# KiCad board EnAcess PCB.kicad_pcb (continued)
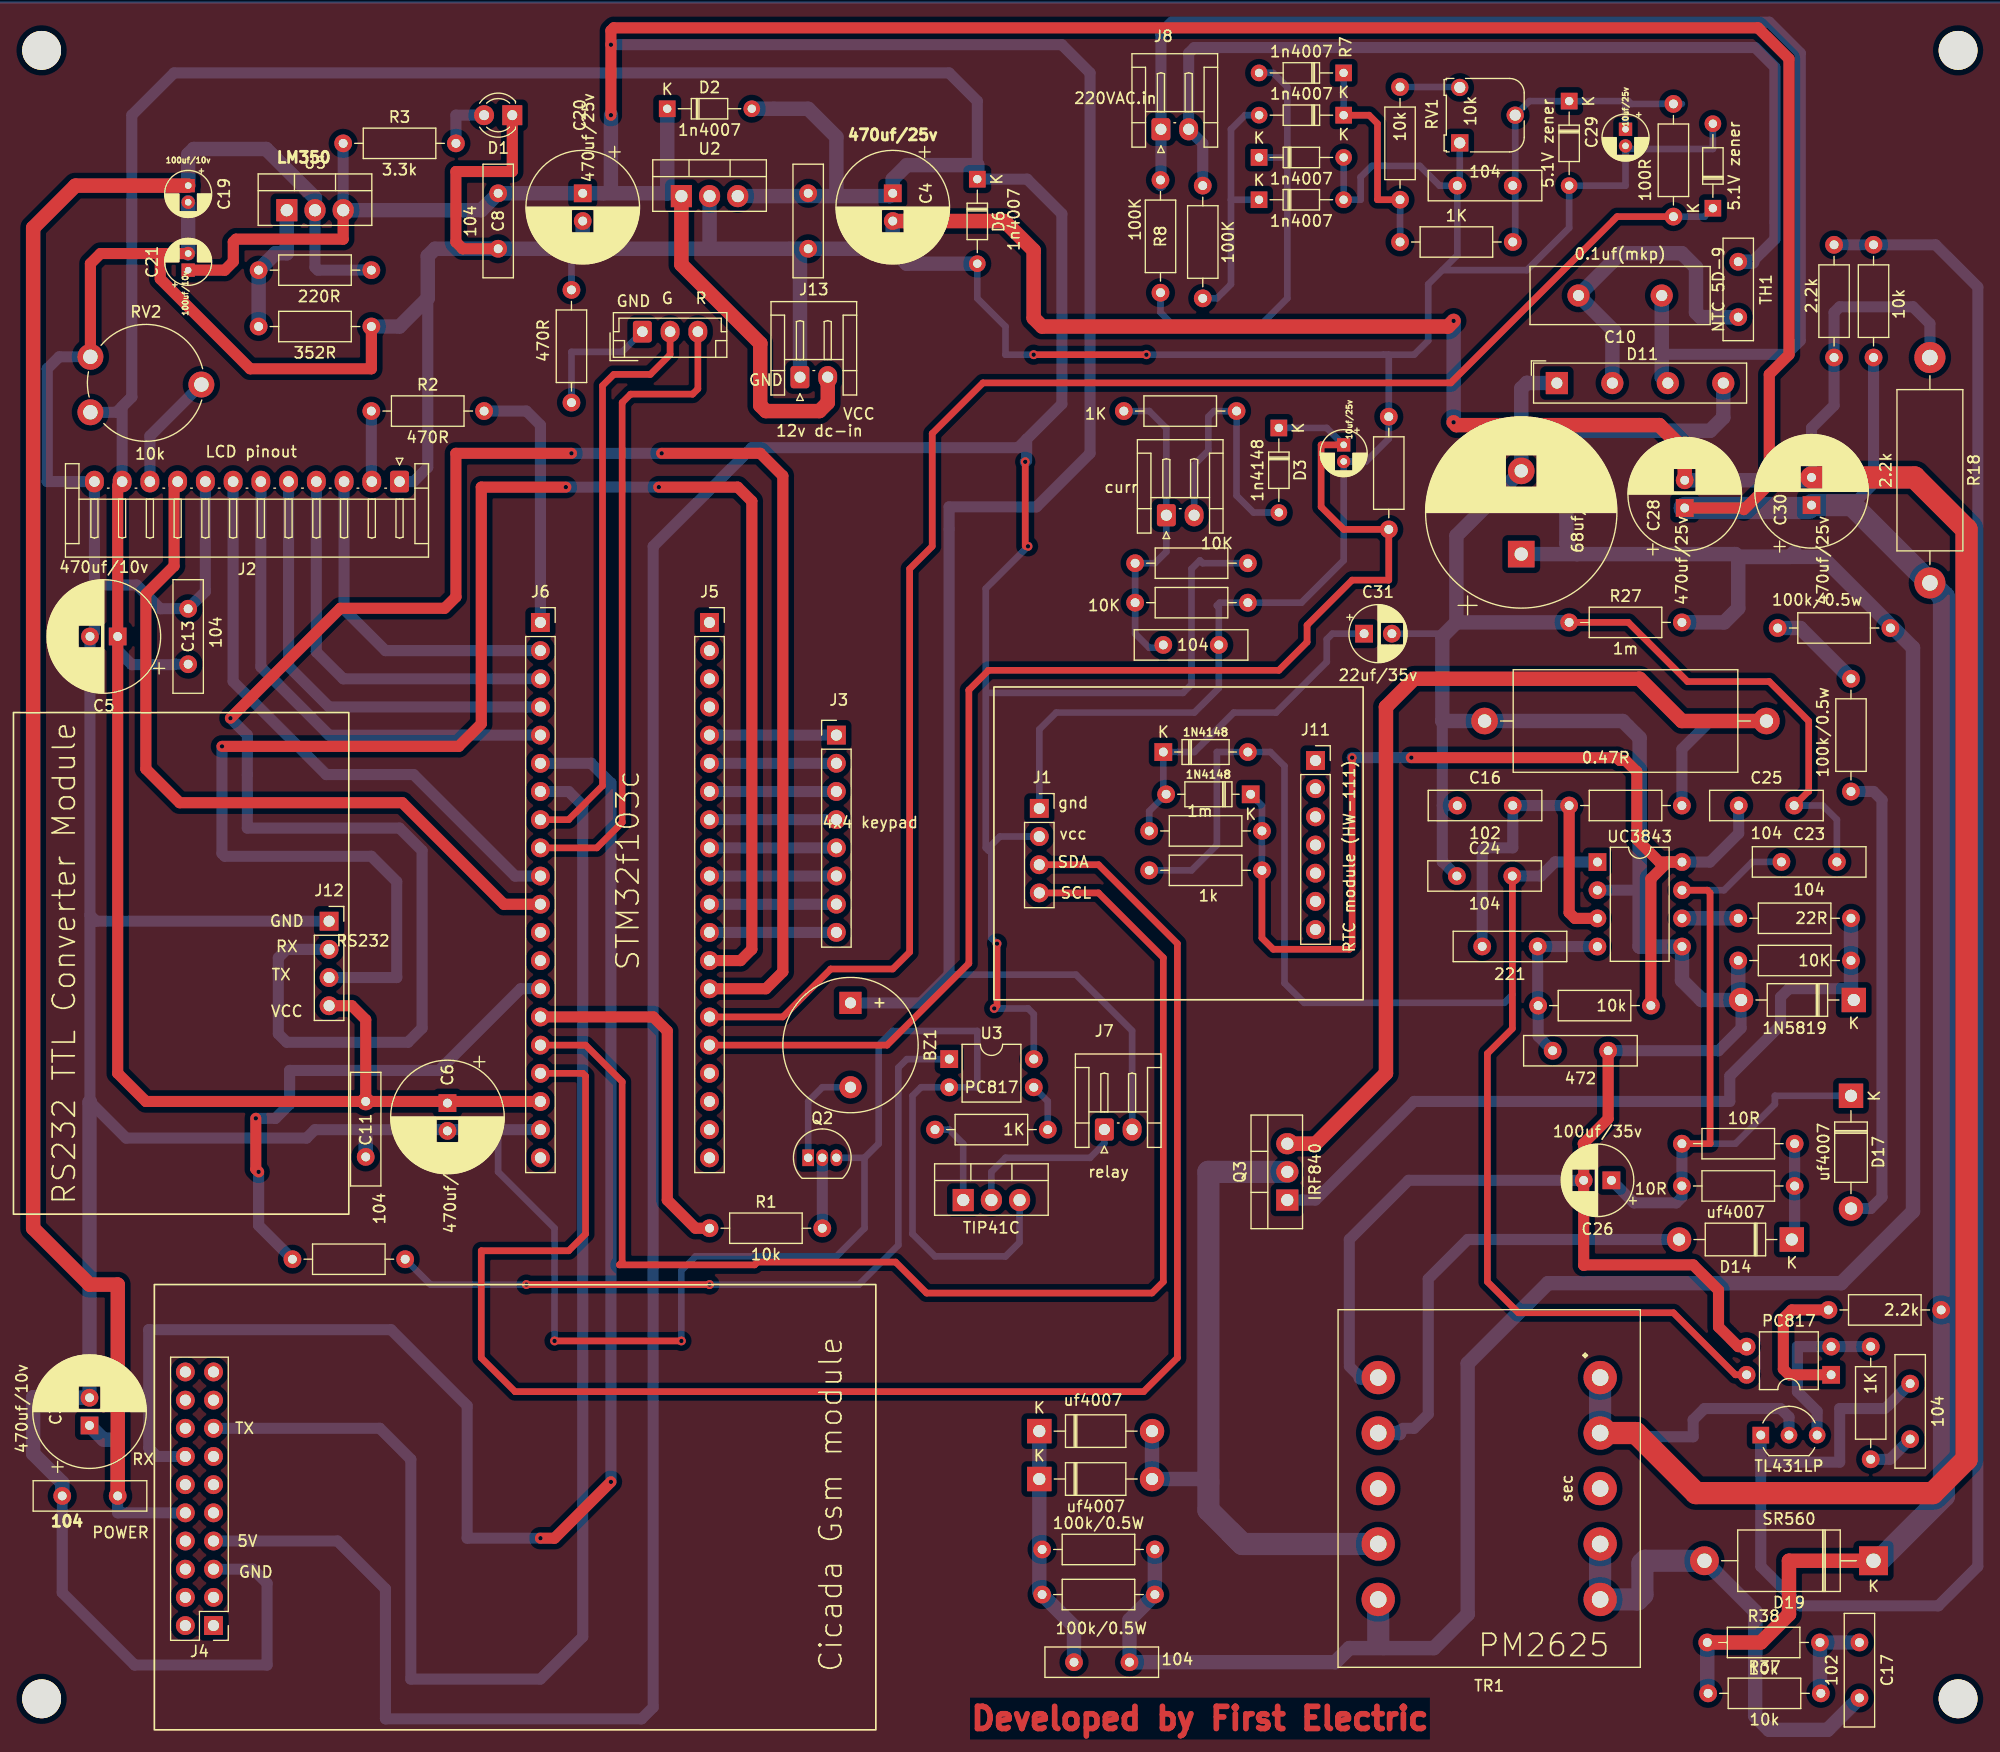
[diagram p0: board, top side]
## Footprints (pads in the part's own frame, mm; a bottom-side part is the same pattern mirrored in y, then rotated)
Buzzer_12x9.5RM7.6
  rect 2x2 hole 1: 1(0,0)
  round 2 hole 1: 2(7.6,0)
C_Disc_D9.0mm_W2.5mm_P5.00mm
  round 1.6 hole 0.8: 1(0,0) 2(5,0)
C_Disc_D10.0mm_W2.5mm_P5.00mm
  round 1.6 hole 0.8: 1(0,0) 2(5,0)
C_Disc_D16.0mm_W5.0mm_P7.50mm
  round 2 hole 1: 1(0,0) 2(7.5,0)
CP_Radial_D4.0mm_P1.50mm
  rect 1.2x1.2 hole 0.6: 1(0,0)
  round 1.2 hole 0.6: 2(1.5,0)
CP_Radial_D5.0mm_P2.50mm
  rect 1.6x1.6 hole 0.8: 1(0,0)
  round 1.6 hole 0.8: 2(2.5,0)
CP_Radial_D6.3mm_P2.50mm
  rect 1.6x1.6 hole 0.8: 1(0,0)
  round 1.6 hole 0.8: 2(2.5,0)
CP_Radial_D10.0mm_P2.50mm
  rect 1.6x1.6 hole 0.8: 1(0,0)
  round 1.6 hole 0.8: 2(2.5,0)
CP_Radial_D17.0mm_P7.50mm
  rect 2.4x2.4 hole 1.2: 1(0,0)
  round 2.4 hole 1.2: 2(7.5,0)
D_DO-34_SOD68_P7.62mm_Horizontal
  rect 1.5x1.5 hole 0.75: 1(0,0)
  oval 1.5x1.5 hole 0.75: 2(7.62,0)
D_DO-35_SOD27_P7.62mm_Horizontal
  rect 1.6x1.6 hole 0.8: 1(0,0)
  oval 1.6x1.6 hole 0.8: 2(7.62,0)
D_DO-41_SOD81_P10.16mm_Horizontal
  rect 2.2x2.2 hole 1.1: 1(0,0)
  oval 2.2x2.2 hole 1.1: 2(10.16,0)
D_DO-201AE_P15.24mm_Horizontal
  rect 2.6x2.6 hole 1.3: 1(0,0)
  oval 2.6x2.6 hole 1.3: 2(15.24,0)
Diode_Bridge_19.0x3.5x10.0mm_P5.0mm
  rect 2x2 hole 1: 1(0,0)
  round 2 hole 1: 2(5,0) 3(10,0) 4(15,0)
DIP-4_W7.62mm
  rect 1.6x1.6 hole 0.8: 1(0,0)
  oval 1.6x1.6 hole 0.8: 2(0,-2.54) 3(7.62,-2.54) 4(7.62,0)
DIP-8_W7.62mm
  rect 1.6x1.6 hole 0.8: 1(0,0)
  oval 1.6x1.6 hole 0.8: 2(0,-2.54) 3(0,-5.08) 4(0,-7.62) 5(7.62,-7.62) 6(7.62,-5.08) 7(7.62,-2.54) 8(7.62,0)
JST_EH_B3B-EH-A_1x03_P2.50mm_Vertical
  rrect 1.7x1.95 hole 0.95: 1(0,0)
  oval 1.7x1.95 hole 0.95: 2(2.5,0) 3(5,0)
JST_EH_S2B-EH_1x02_P2.50mm_Horizontal
  rrect 1.7x2 hole 1: 1(0,0)
  oval 1.7x2 hole 1: 2(2.5,0)
JST_EH_S12B-EH_1x12_P2.50mm_Horizontal
  rrect 1.7x1.95 hole 0.95: 1(0,0)
  oval 1.7x1.95 hole 0.95: 2(2.5,0) 3(5,0) 4(7.5,0) 5(10,0) 6(12.5,0) 7(15,0) 8(17.5,0) 9(20,0) 10(22.5,0) 11(25,0) 12(27.5,0)
LED_D3.0mm_FlatTop
  rect 1.8x1.8 hole 0.9: 1(0,0)
  round 1.8 hole 0.9: 2(2.54,0)
MountingHole_3.5mm
  round 3.5 hole 3.5 unplated: (0,0)
PinHeader_1x08_P2.54mm_Vertical
  rect 1.7x1.7 hole 1: 1(0,0)
  oval 1.7x1.7 hole 1: 2(0,-2.54) 3(0,-5.08) 4(0,-7.62) 5(0,-10.16) 6(0,-12.7) 7(0,-15.24) 8(0,-17.78)
PinHeader_2x10_P2.54mm_Vertical
  rect 1.7x1.7 hole 1: 1(0,0)
  oval 1.7x1.7 hole 1: 2(2.54,0) 3(0,-2.54) 4(2.54,-2.54) 5(0,-5.08) 6(2.54,-5.08) 7(0,-7.62) 8(2.54,-7.62) 9(0,-10.16) 10(2.54,-10.16) 11(0,-12.7) 12(2.54,-12.7) 13(0,-15.24) 14(2.54,-15.24) 15(0,-17.78) 16(2.54,-17.78) 17(0,-20.32) 18(2.54,-20.32) 19(0,-22.86) 20(2.54,-22.86)
PinSocket_1x04_P2.54mm_Vertical
  rect 1.7x1.7 hole 1: 1(0,0)
  oval 1.7x1.7 hole 1: 2(0,-2.54) 3(0,-5.08) 4(0,-7.62)
PinSocket_1x07_P2.54mm_Vertical
  rect 1.7x1.7 hole 1: 1(0,0)
  oval 1.7x1.7 hole 1: 2(0,-2.54) 3(0,-5.08) 4(0,-7.62) 5(0,-10.16) 6(0,-12.7) 7(0,-15.24)
PinSocket_1x20_P2.54mm_Vertical
  rect 1.7x1.7 hole 1: 1(0,0)
  oval 1.7x1.7 hole 1: 2(0,-2.54) 3(0,-5.08) 4(0,-7.62) 5(0,-10.16) 6(0,-12.7) 7(0,-15.24) 8(0,-17.78) 9(0,-20.32) 10(0,-22.86) 11(0,-25.4) 12(0,-27.94) 13(0,-30.48) 14(0,-33.02) 15(0,-35.56) 16(0,-38.1) 17(0,-40.64) 18(0,-43.18) 19(0,-45.72) 20(0,-48.26)
Potentiometer_Piher_PT-10-V10_Vertical
  round 2.34 hole 1.3: 1(0,0) 2(10,2.5) 3(0,5)
Potentiometer_Runtron_RM-065_Vertical
  rect 1.56x1.56 hole 1: 1(0,0)
  round 1.56 hole 1: 2(2.5,-5) 3(5,0)
R_Axial_DIN0207_L6.3mm_D2.5mm_P10.16mm_Horizontal
  round 1.6 hole 0.8: 1(0,0)
  oval 1.6x1.6 hole 0.8: 2(10.16,0)
R_Axial_DIN0614_L14.3mm_D5.7mm_P20.32mm_Horizontal
  round 2.8 hole 1.4: 1(0,0)
  oval 2.8x2.8 hole 1.4: 2(20.32,0)
R_Axial_DIN0922_L20.0mm_D9.0mm_P25.40mm_Horizontal
  round 2.4 hole 1.2: 1(0,0)
  oval 2.4x2.4 hole 1.2: 2(25.4,0)
TO-92_Inline
  rect 1.05x1.5 hole 0.75: 1(0,0)
  oval 1.05x1.5 hole 0.75: 2(1.27,0) 3(2.54,0)
TO-92_Inline_Wide
  rect 1.5x1.5 hole 0.8: 1(0,0)
  round 1.5 hole 0.8: 2(2.54,0) 3(5.08,0)
TO-220-3_Vertical
  rect 1.905x2 hole 1.1: 1(0,0)
  oval 1.905x2 hole 1.1: 2(2.54,0) 3(5.08,0)
Transformer_CHK_EI30-2VA_2xSec
  round 3 hole 1.5: 1(0,0) 2(0,5) 3(0,10) 4(0,15) 5(0,20) 6(20,20) 7(20,15) 8(20,10) 9(20,5) 10(20,0)

## Nets
+5V: C4.1 C5.1 C6.1 C11.1 C13.1 C14.1 D2.2 D6.1 D7.1 D10.1 J1.2 J2.11 J4.7 J6.18 J12.4 R12.2 RV1.1 RV2.1 U2.3 U3.4
GND: C1.2 C2.2 C3.2 C4.2 C5.2 C6.2 C8.2 C11.2 C12.2 C13.2 C14.2 C15.2 C19.2 C20.2 C21.2 C28.2 C29.2 C30.2 D1.1 D4.2 D6.2 D8.2 J1.1 J2.1 J2.8 J2.12 J4.5 J6.19 J12.1 J13.1 Q1.3 Q2.3 R14.2 R15.2 R16.1 R17.2 R18.1 R19.2 RV2.3 TR1.2 U2.2 U3.2 U6.2
Net-(BZ1-+): BZ1.2 Q2.1
Net-(C7-Pad1): C7.1 R33.1
Net-(C10-Pad2): C10.2 D11.2 TH1.2
Net-(C16-Pad2): C16.2 C18.1 R31.1 UC3843.3
Net-(C17-Pad1): C17.1 R37.2 R38.2
Net-(D1-A): D1.2 R3.2
Net-(D3-A): C2.1 D3.2 J5.16 R16.2
Net-(D3-K): D3.1 J10.2 R6.2
Net-(D4-K): D4.1 J5.15 R9.2
Net-(D5-A): D5.2 D9.2 R5.2 R10.2
Net-(D5-K): D5.1 D7.2 R7.2
Net-(D8-K): C12.1 C29.1 D8.1 R9.1 R10.1 RV1.2
Net-(D10-A): D9.1 D10.2 R8.2
Net-(D11-+): C9.1 C17.2 C27.1 D11.4 D19.2 R20.1 R21.1 R22.2 R27.2 TR1.1 TR1.6
Net-(D11--): C9.2 C16.1 C22.2 C23.2 C24.1 C25.2 C26.2 C31.2 D11.1 D13.2 R27.1 R28.1 R30.1 TR1.3 TR1.10 U4.3 UC3843.2 UC3843.5
Net-(D12-A): C31.1 D12.2 D18.1 R34.1
Net-(D12-K): C25.1 D12.1 R32.2 R34.2 R35.2 UC3843.8
Net-(D13-K): D13.1 Q3.1 R28.2 R29.2
Net-(D14-A): D14.2 TR1.4
Net-(D14-K): D14.1 R25.2 R26.1
Net-(D15-A): D15.2 D16.2 Q3.2 TR1.5
Net-(D15-K): C27.2 D15.1 D16.1 R20.2 R21.2
Net-(D17-A): D17.2 R23.1
Net-(D17-K): C23.1 C26.1 D17.1 R25.1 R26.2 UC3843.7
Net-(D18-A): C24.2 D18.2 R35.1 U4.4 UC3843.1
Net-(D19-K): BZ1.1 C8.1 C20.1 C21.1 C28.1 C30.1 D2.1 D19.1 J7.2 J13.2 R3.1 R18.2 R24.2 R36.1 R37.1 R38.1 U2.1 U5.3
Net-(J1-Pin_3): J1.3 J6.17
Net-(J1-Pin_4): J1.4 J6.16
Net-(J2-Pin_2): J2.2 R2.1
Net-(J2-Pin_3): J2.3 J6.2
Net-(J2-Pin_4): J2.4 J6.3
Net-(J2-Pin_5): J2.5 J6.4
Net-(J2-Pin_6): J2.6 J6.5
Net-(J2-Pin_7): J2.7 J6.10
Net-(J2-Pin_9): J2.9 J6.11
Net-(J2-Pin_10): J2.10 RV2.2
Net-(J3-Pin_1): J3.1 J5.5
Net-(J3-Pin_2): J3.2 J5.6
Net-(J3-Pin_3): J3.3 J5.7
Net-(J3-Pin_4): J3.4 J5.8
Net-(J3-Pin_5): J3.5 J5.9
Net-(J3-Pin_6): J3.6 J5.10
Net-(J3-Pin_7): J3.7 J5.11
Net-(J3-Pin_8): J3.8 J5.12
Net-(J4-Pin_10): C3.1 C15.1 C19.1 J4.10 R13.2 U5.2
Net-(J4-Pin_14): J4.14 J6.6
Net-(J4-Pin_15): J4.15 J6.7
Net-(J5-Pin_13): J5.13 J12.3
Net-(J5-Pin_14): J5.14 J12.2
Net-(J6-Pin_1): J6.1 R2.2
Net-(J6-Pin_8): J6.8 J9.2
Net-(J6-Pin_9): J6.9 J9.3
Net-(J6-Pin_14): J6.14 R4.1
Net-(J6-Pin_15): J6.15 R1.1
Net-(J7-Pin_1): J7.1 Q1.2
Net-(J8-Pin_1): C10.1 D11.3 J8.1 R8.1
Net-(J8-Pin_2): J8.2 R7.1 TH1.1
Net-(J9-Pin_1): J9.1 R17.1
Net-(J10-Pin_1): C1.1 J10.1 R6.1 R12.1 R15.1
Net-(Q1-B): Q1.1 R11.2
Net-(Q2-B): Q2.2 R1.2
Net-(Q3-S): Q3.3 R30.2 R31.2
Net-(R4-Pad2): R4.2 U3.1
Net-(R5-Pad1): R5.1 RV1.3
Net-(R11-Pad1): R11.1 U3.3
Net-(R22-Pad1): R22.1 R23.2
Net-(R36-Pad2): R36.2 U4.1
Net-(U1-OUT): R29.1 UC3843.6
Net-(U1-RC): C18.2 C22.1 R32.1 UC3843.4
Net-(U5-ADJ): R13.1 R14.1 U5.1
Net-(U6-K): R33.2 U4.2 U6.3
Net-(U6-REF): C7.2 R19.1 R24.1 U6.1

Pads without a net: J4 1 2 3 4 6 8 9 11 12 13 16 17 18 19 20; J5 1 2 3 4 17 18 19 20; J6 12 13 20; J11 1 2 3 4 5 6 7; TR1 7 8 9

## Via types
v1: diameter 0.8, hole 0.4, Top to Bottom, 26 vias

## Routing (per net, layer and track width the routed paths; a pad name or vN(x,y) marks a point on that pad's centre or on a via; arc(x,y) is an arc through that point)
+5V: length 621.3
  Top w0.6: 122.43,135.13 120.4,135.13 120.4,141.99 119.63,142.75 D7.1 ; v1(88.65,111.51) 88.65,103.89 ; v1(85.85,62.23) 86.11,62.48 v1(86.11,68.07)
  Top w1: C11.1 29.21,61.21 27.95,62.47 J12.4 ; J6.18 9.4,53.84 6.86,56.39 C5.1 6.86,109.32 J2.11
  Bottom w0.6: 85.34,90.68 102.87,90.68 103.63,91.44 103.63,101.85 104.39,102.62 104.65,102.36 R12.2 ; D10.1 117.34,142.75 D7.1 ; 122.43,135.13 122.43,131.32 ; v1(88.9,103.89) 85.09,100.08 85.09,76.71 85.34,76.45 85.6,76.45 85.6,68.58 v1(86.11,68.07) ; J1.2 86.36,77.72 85.34,76.71 ; U3.4 89.42,61.71 88.9,62.23 v1(85.85,62.23)
  Bottom w1: 88.77,113.54 88.77,111.63 v1(88.65,111.51) ; 88.77,113.54 88.01,112.78 64.01,112.78 55.12,103.89 55.12,-0.76 54.07,-1.81 31.02,-1.81 30.99,-1.78 30.99,9.91 26.67,14.22 J4.7 ; 88.77,113.54 91.95,116.71 91.95,133.86 88.82,136.98 D6.1 84.33,144.02 81.79,146.56 11.94,146.56 8.13,142.75 8.13,117.35 ; 8.13,117.35 6.75,115.97 RV2.1 ; 8.13,117.35 7.26,116.48 J2.11 ; C13.1 11.98,93.26 11.94,93.22 8.13,93.22 6.86,94.49 C5.1
  Bottom w1.3: D6.1 84.33,138.25 77.98,138.25 76.71,136.98 C4.1 76.45,135.45 U2.3 ; 71.63,135.71 71.63,140.79 69.09,143.33 64,143.33
GND: length 1029.4
  Top w0.6: v1(46.23,32.26) v1(57.66,32.26) ; v1(89.41,121.16) v1(99.57,121.16)
  Top w1: R14.2 29.72,119.89 18.8,119.89 10.69,127.99 10.69,130.28 C21.2 5.31,130.28 4.4,129.37 RV2.3 ; D1.1 42.42,137.67 37.34,137.67 37.34,131.32 37.95,130.71 C8.2
  Top w1.3: v1(127.25,124.21) 126.75,123.7 90.17,123.7 89.41,124.46 89.41,130.56 86.76,133.21 C4.2 ; C28.2 148.08,112.52 145.8,114.81 127.51,114.81 v1(127.25,115.06)
  Top w2: TR1.2 143.68,23.96 149.1,18.54 170.43,18.54 173.48,21.59 173.48,105.41 168.8,110.09 C30.2
  Bottom w0.6: D4.2 150.62,139.7 143.03,139.7 C29.2 142.75,136.4 D8.2 137.67,132.59 133.86,128.78 126.24,128.78 ; v1(89.41,121.16) 86.87,121.16 86.87,123.7 84.33,126.24 D6.2 ; C12.2 127.81,136.62 127.81,140.25 ; C12.2 127.59,130.13 124.97,127.51 124.97,122.43 123.7,121.16 120.9,121.16 ; C12.2 125.98,136.4 124.21,138.18 119.89,138.18 118.87,137.16 118.87,135.13 117.34,135.13 117.34,135.13 117.34,138.94 ; R17.2 47.75,130.6 47.65,130.71 ; Q2.3 74.17,48.77 ; 74.17,48.77 74.17,42.42 71.63,39.88 58.93,39.88 57.66,38.61 v1(57.66,32.26) ; 74.17,48.77 75.44,50.04 75.44,58.93 76.71,60.2 84.33,60.2 84.33,55.12 84.32,55.12 79.25,55.12 78.49,54.36 78.49,41.91 80.52,39.88 86.87,39.88 88.14,41.15 Q1.3 ; J1.1 89.92,87.38 91.44,88.9 103.89,88.9 106.09,91.11 C1.2 106.09,98.38 105.92,98.55 106.17,98.81 R15.2 113.54,98.81 117.35,102.62 C2.2 119.36,111.53 121.41,113.59 121.41,121.16 120.9,121.16 ; 120.9,121.16 v1(99.57,121.16) ; 41.14,51.3 41.14,47.5 46.23,42.42 v1(46.23,32.26)
  Bottom w1: U6.2 157.48,25.4 156.72,26.16 149.86,26.16 148.84,25.15 148.84,23.62 140.8,23.62 ; J2.1 33.52,109.72 34.8,111 34.8,126.24 ; 4.76,100.4 J2.12 0.52,109.72 0.51,109.73 0.51,119.89 1.59,120.97 RV2.3 ; 4.76,100.4 4.76,96.16 C5.2 4.36,70.65 ; 4.76,100.4 8.57,100.4 10.71,98.26 C13.2 14.76,99.81 J2.8 ; 4.36,70.65 4.36,53.81 7.62,50.55 23.88,50.55 24.63,51.3 J6.19 ; 4.36,70.65 4.92,70.09 J12.1 ; J4.5 19.05,11.68 20.32,10.41 20.32,3.05 8.38,3.05 1.86,9.57 C15.2 ; R18.1 170.18,123.95 168.66,125.48 162.05,125.48 161.54,124.97 R19.2 161.54,116.59 159.51,114.55 C30.2 ; 67.56,130.56 67.41,130.71
  Bottom w1.3: C11.2 29.21,50.55 ; D6.2 77.98,129.36 77.98,129.36 76.71,130.63 ; 60.28,130.71 C14.2 76.63,130.71 76.71,130.63 ; 60.28,130.71 48.69,130.71 ; 60.28,130.71 60.2,130.79 U2.2 ; v1(127.25,115.06) v1(127.25,124.21) ; 48.69,130.71 C8.2 35.46,130.71 34.8,130.05 34.8,126.24 32.26,123.7 R14.2 ; 48.69,130.71 48.77,130.79 C20.2 ; C4.2 76.71,130.63 ; J13.1 68.35,130.54 68.33,130.56 ; C30.2 159.26,109.84 C28.2 ; C19.2 C21.2 ; 4.36,53.81 4.32,53.77 C3.2 -0.72,27.14 -0.76,27.18 -0.76,22.1 1.86,19.48 C15.2
  Bottom w2: 140.46,28.96 TR1.2
Net-(BZ1-+): length 9.4
  Bottom w0.6: Q2.1 69.09,53.85 70.37,55.13 BZ1.2
Net-(C7-Pad1): length 4.3
  Bottom w1: R33.1 166.58,21.59 C7.1
Net-(C10-Pad2): length 30.1
  Bottom w1.3: TH1.2 149.53,124.54 149.1,124.97 149.1,129.03 147.83,130.3 142.24,130.3 142.24,130.22 C10.2 141.73,123.27 141.73,122.68 141.56,122.51 D11.2
Net-(C16-Pad2): length 32.8
  Top w1: R31.1 137.67,70.87 138.19,70.35 UC3843.3
  Bottom w1: C18.1 129.83,76.49 130.05,76.71 132.59,76.71 C16.2 R31.1
Net-(C17-Pad1): length 8.2
  Bottom w1.3: C17.1 R38.2 160.27,0.57 R37.2
Net-(D1-A): length 5.1
  Bottom w1: D1.2 37.34,142.75 R3.2
Net-(D3-A): length 119.5
  Top w0.6: 60.19,58.92 76.2,58.92 83.57,66.29 83.57,90.93 85.34,92.71 111.51,92.71 114.05,95.25 114.05,96.77 118.11,100.84 121.41,100.84 R16.2 117.35,105.41 115.32,107.44 115.32,113.03 C2.1
  Bottom w0.6: 111.51,114.55 115.82,114.55 C2.1
Net-(D3-K): length 24.2
  Bottom w0.6: 111.51,106.93 109.22,106.93 107.7,108.46 R6.2 105.66,116.08 105.16,115.57 105.16,112.52 103.87,111.23 J10.2
Net-(D4-K): length 146.8
  Top w0.6: J5.15 66.8,61.46 71.12,65.79 76.71,65.79 78.23,67.31 78.23,101.85 80.26,103.89 80.26,114.05 84.84,118.62 127,118.62 141.99,133.6 R9.2
  Bottom w0.6: D4.1 149.86,133.6 R9.2
Net-(D5-K): length 22.6
  Bottom w0.6: 107.19,135.13 107.19,127.51 105.92,126.24 R7.2 ; 107.19,135.13 107.19,141.48 108.46,142.75 D7.2 ; 107.19,135.13 D5.1
Net-(D8-K): length 30.3
  Bottom w0.6: 142.75,143.26 142.75,144.02 D8.1 134.08,144.02 RV1.2 132.81,131.54 R10.1 ; 142.75,143.26 C29.1 ; 142.75,143.26 142.75,143.76 143,144.02 143.26,143.76 147.83,143.76
Net-(D10-A): length 39.5
  Bottom w0.6: 112.27,138.94 D9.1 ; 112.27,138.94 112.27,145.29 111,146.56 D10.2 ; 112.27,138.94 112.27,126.24 109.73,123.7 102.11,123.7 100.84,124.97 R8.2
Net-(D11-+): length 294.3
  Bottom w1.3: 138.37,103.18 137.41,104.14 137.41,113.79 137.92,114.3 150.37,114.3 151.56,115.49 D11.4 ; 138.37,103.18 152.65,103.18 152.91,102.93 ; 138.37,103.18 C9.1 ; 152.91,102.93 160.47,102.93 168.66,94.74 168.66,43.94 162.18,37.46 135.76,37.46 128.52,30.23 128.52,7.62 125.48,4.57 117.86,4.57 116.59,3.3 C27.1 98.04,7.11 R20.1 R21.1 ; 152.91,102.93 157.54,102.93 157.99,103.38 ; 152.91,102.93 152.91,98.3 151.64,97.03 R27.2 ; C17.2 160.96,-2.79 155.7,-2.79 154.43,-1.52 154.43,7.87 D19.2
  Bottom w2: 140.46,13.96 140.46,8.96 143.83,8.96 144.27,9.4 144.27,12.19 144.53,12.45 D19.2 ; TR1.6 120.46,5.01
Net-(D11--): length 259.2
  Top w0.6: R27.1 143,97.03 148.34,91.69 155.7,91.69 159.26,88.14 159.26,81.79 159.22,81.79 C25.2
  Top w1: U4.3 152.91,31.74 151.13,33.53 151.13,36.83 148.84,39.12 139.02,39.12 138.98,39.08 C26.2 138.98,50 138.94,50.04 141.18,52.28 C22.2
  Bottom w0.6: C31.2 125.98,96.01 126.24,95.76 ; C23.2 161.8,79.25 160.53,80.52 C25.2
  Bottom w1: C24.1 126.28,75.44 126.24,75.44 126.24,80.52 ; D13.2 153.16,60.45 151.13,58.42 C22.2 ; C26.2 123.19,46.74 117.86,41.4 117.86,30.23 ; 126.24,80.52 126.24,88.14 ; 126.24,80.52 C16.1 ; UC3843.2 144.01,72.89 144.02,72.9 ; 118.87,28.96 117.86,29.97
  Bottom w1.3: 127.51,97.03 R27.1 ; 127.51,97.03 127.51,104.84 C9.2 133.35,118.11 133.86,118.62 133.88,118.6 D11.1 ; 127.51,97.03 126.24,95.76 126.24,88.14 R30.1 142.49,88.14 144.02,86.61 144.02,67.82 144.03,67.81 UC3843.5 147.84,64.76 149.61,62.99 D13.2 152.91,63.25 R28.1 ; TR1.10 118.87,28.96
Net-(D12-A): length 31.9
  Bottom w0.6: R34.1 99.82,80.01 D12.2 101.09,81.79 D18.1 103.89,85.34 105.16,86.61 ; 104.9,86.36 107.44,88.9 111.25,88.9 115.82,93.47 115.82,95.5 116.33,96.01 C31.1
Net-(D12-K): length 99.8
  Top w0.6: R35.2 109.98,68.58 111,67.56 117.86,67.56 118.11,67.82 v1(118.11,84.84)
  Top w1: R32.2 145.03,73.91 146.55,75.43 UC3843.8 145.81,75.43 143.76,77.47 143.76,83.57 142.75,84.58 142.24,84.58 141.99,84.84 v1(123.44,84.84)
  Bottom w0.6: D12.1 109.98,80.52 R35.2
  Bottom w1: C25.1 152.95,78.02 150.36,75.43 UC3843.8 ; v1(123.44,84.84) v1(118.11,84.84)
Net-(D13-K): length 69
  Bottom w1: 163.07,64.01 157.48,64.01 156.72,63.25 156.72,60.71 152.15,56.13 152.15,53.85 123.7,53.85 114.81,44.96 Q3.1
  Bottom w1.3: D13.1 163.07,63.25 R29.2
Net-(D14-A): length 41.1
  Bottom w1: D14.2 128.52,41.4 124.97,37.85 124.97,25.65 123.7,24.38 122.68,24.38
  Bottom w1.3: 120.46,23.96 122.35,23.96 122.35,24.05
Net-(D14-K): length 8.7
  Bottom w1: R25.2 157.99,41.66 D14.1
Net-(D15-A): length 65.1
  Bottom w1.3: D16.2 D15.2 104.9,19.81 105.16,19.56
  Bottom w2: 107.19,14.99 108.2,13.97 ; 107.19,14.99 105.16,17.02 105.16,47.5 Q3.2 ; 107.19,14.99 108.22,13.96 120.46,13.96
Net-(D15-K): length 22.1
  Bottom w1.3: C27.2 93.04,6.52 R20.2 89.92,9.65 D16.1
Net-(D17-A): length 42.1
  Bottom w1: D17.2 164.85,44.2 165.86,45.21 165.86,81.03 165.1,81.79 R23.1
Net-(D17-K): length 67.5
  Top w0.6: R25.1 150.37,50.04 150.37,72.64 150.12,72.89 UC3843.7
  Bottom w0.6: R25.1 152.65,50.04 156.21,53.59 156.21,54.36 D17.1 ; UC3843.7 151.63,72.89 154.18,75.44 C23.1
  Bottom w1: R25.1 R26.2 147.83,45.21 147.32,44.7 143.51,44.7 C26.1
Net-(D18-A): length 146.4
  Top w0.6: U4.4 152.66,29.2 147.07,34.8 133.1,34.8 130.3,37.59 130.3,58.17 132.55,60.41 C24.2
  Bottom w0.6: R35.1 103.63,74.68 105.92,76.96 105.92,85.34 D18.2 110.74,85.34 112.01,84.07 112.01,64.52 113.79,62.74 131.83,62.74 132.55,63.46 C24.2
  Bottom w1: C24.2 135.13,74.17 136.4,75.44 136.41,75.43 UC3843.1
Net-(D19-K): length 592.4
  Top w1: C21.1 16.51,128.78 17.27,129.54 17.27,131.32 17.53,131.57 27.18,131.57 U5.3 ; 153.42,107.19 155.7,109.47 155.7,119.38 157.48,121.16 157.48,147.83 154.69,150.62 51.56,150.62 51.31,150.37 v1(51.31,149.1) v1(51.31,142.75) ; C28.1 153.26,107.34
  Top w1.3: R38.1 154.94,5.08 157.48,7.62 157.48,12.45 D19.1 ; U2.1 57.66,129.29 64.77,122.17 64.77,116.59 65.28,116.08 70.1,116.08 70.85,116.82 J13.2
  Bottom w0.6: J7.2 98.28,60.22 93.22,65.28 81.79,65.28
  Bottom w1: BZ1.1 79.24,62.73 81.79,65.28 81.79,107.44 89.66,107.44 94.49,112.27 94.49,146.56 91.95,149.1 v1(51.31,149.1) ; R24.2 165.1,109.52 163.17,107.59 ; R3.1 U5.3
  Bottom w1.3: 51.31,136.4 v1(51.31,142.75) ; 159.26,107.34 C30.1 ; 56.39,135.71 57.4,135.71 U2.1 ; 56.39,135.71 C8.1 39.62,134.18 U5.3 ; 56.39,135.71 56.38,135.71 D2.1 ; R37.1 150.11,0.57 R38.1
  Bottom w2: C30.1 163.17,107.59 171.45,99.31 171.45,18.29 165.61,12.45 D19.1 ; C28.1 159.26,107.34
Net-(J1-Pin_3): length 156.1
  Top w0.6: J1.3 95.25,75.18 102.36,68.07 102.36,30.73 99.31,27.69 42.67,27.69 39.62,30.73 39.62,40.39 47.5,40.39 49.02,41.91 49.02,56.13 48.77,56.38 J6.17
Net-(J1-Pin_4): length 118.9
  Top w0.6: 44.95,58.92 49.03,58.92 52.32,55.63 52.32,39.37 52.07,39.12 64.26,39.12 64.52,39.37 76.96,39.37 79.76,36.58 100.08,36.58 101.09,37.59 101.09,66.8 95.25,72.64 J1.4
Net-(J2-Pin_2): length 6.4
  Bottom w1: J2.2 29.72,109.76 R2.1
Net-(J2-Pin_3): length 30.7
  Bottom w1: J2.3 27.26,98.22 30.99,94.48 44.95,94.48
Net-(J2-Pin_4): length 36.6
  Bottom w1: J2.4 24.76,94.37 27.18,91.94 J6.3
Net-(J2-Pin_5): length 40.9
  Bottom w1: 44.95,89.4 43.69,89.4 43.69,89.41 25.91,89.41 22.26,93.06 J2.5
Net-(J2-Pin_6): length 44.4
  Bottom w1: J6.5 25.91,86.86 19.76,93.02 J2.6
Net-(J2-Pin_7): length 53
  Bottom w1: J6.10 42.68,74.16 33.53,83.31 25.65,83.31 17.26,91.71 J2.7
Net-(J2-Pin_9): length 67.7
  Top w1: J6.11 41.66,71.62 32.51,80.77 12.45,80.77 9.4,83.82 9.4,99.57 11.94,102.11 11.94,109.4 J2.9
Net-(J2-Pin_10): length 10.7
  Bottom w1: RV2.2 9.76,113.83 J2.10
Net-(J3-Pin_1): length 11.4
  Bottom w1: J3.1 71.62,86.86 J5.5
Net-(J3-Pin_2): length 11.4
  Bottom w1: J5.6 71.62,84.32 J3.2
Net-(J3-Pin_3): length 11.4
  Bottom w1: J5.7 71.62,81.78 J3.3
Net-(J3-Pin_4): length 11.4
  Bottom w1: J3.4 71.62,79.24 J5.8
Net-(J3-Pin_5): length 11.4
  Bottom w1: 60.19,76.7 71.62,76.7 J3.5
Net-(J3-Pin_6): length 11.4
  Bottom w1: J3.6 71.62,74.16 J5.10
Net-(J3-Pin_7): length 11.4
  Bottom w1: J5.11 71.62,71.62 J3.7
Net-(J3-Pin_8): length 11.4
  Bottom w1: J3.8 71.62,69.08 J5.12
Net-(J4-Pin_10): length 178
  Top w1.3: C15.1 6.86,37.34 4.32,37.34 -0.76,42.42 -0.76,132.59 3.05,136.4 C19.1
  Bottom w1: U5.2 24.64,129.03 24.89,128.78 R13.2 ; J4.10 6.86,16.76 C15.1
  Bottom w1.3: U5.2 24.64,135.29 20.23,139.7 13.72,139.7 13.21,139.19 C19.1 ; C3.1 5.59,23.37 6.86,23.37 C15.1
Net-(J4-Pin_14): length 142.9
  Top w1: v1(51.31,19.56) 46.23,14.48 v1(44.96,14.48)
  Bottom w1: v1(51.31,19.56) 51.31,82.55 49.53,84.33 49.53,84.32 J6.6 ; v1(44.96,14.48) 38.35,14.48 38.35,26.42 31.5,33.27 9.65,33.27 9.65,22.61 10.41,21.84 J4.14
Net-(J4-Pin_15): length 135.1
  Bottom w1: J4.15 30.48,24.38 33.27,21.59 33.27,1.78 44.96,1.78 48.77,5.59 48.77,80.52 47.5,81.78 J6.7
Net-(J5-Pin_13): length 156.3
  Top w1: v1(16.26,85.85) 37.59,85.85 39.62,87.88 39.62,109.22 v1(47.24,109.22) ; v1(55.63,109.22) 62.74,109.22 64.01,107.95 64.01,67.56 62.99,66.54 60.19,66.54
  Bottom w1: J12.3 31.99,65.01 32,65.02 32,73.66 29.72,75.95 16.51,75.95 16.26,76.2 v1(16.26,85.85) ; v1(55.63,109.22) v1(47.24,109.22)
Net-(J5-Pin_14): length 188.7
  Top w1: v1(47.75,112.27) 37.34,112.27 37.34,99.31 36.32,98.3 26.92,98.3 v1(17.02,88.39) ; v1(55.88,112.27) 64.77,112.27 66.8,110.24 66.8,65.53 65.27,64 J5.14
  Bottom w1: v1(55.88,112.27) v1(47.75,112.27) ; v1(17.02,88.39) 18.54,86.87 18.54,78.49 32.26,78.49 34.29,76.45 34.29,60.45 33.02,59.18 22.1,59.18 21.34,59.94 21.34,66.8 22.09,67.55 J12.2
Net-(J6-Pin_1): length 23.4
  Bottom w1: J6.1 44.95,99.56 44.96,99.57 44.96,114.81 43.69,116.08 R2.2
Net-(J6-Pin_8): length 52.3
  Top w0.6: J9.2 56.64,121.16 54.86,119.38 51.56,119.38 50.55,118.36 50.55,82.3 47.49,79.24 J6.8
Net-(J6-Pin_9): length 58.7
  Top w0.6: 44.95,76.7 50.03,76.7 52.32,78.99 52.32,116.84 53.09,117.6 58.67,117.6 59.14,118.07 J9.3
Net-(J6-Pin_14): length 46.3
  Top w1: v1(19.3,52.32) 19.3,47.75 v1(19.56,47.5)
  Bottom w1: v1(19.3,52.32) 21.08,52.32 22.35,53.59 22.35,56.64 35.81,56.64 43.17,64 J6.14 ; v1(19.56,47.5) 19.56,42.67 R4.1
Net-(J6-Pin_15): length 32.1
  Top w1: J6.15 55.12,61.46 56.39,60.2 56.39,44.96 58.93,42.42 R1.1
Net-(J7-Pin_1): length 15
  Bottom w0.6: J7.1 95.78,50.06 94.49,48.77 86.87,48.77 85.6,47.5 Q1.2
Net-(J8-Pin_1): length 120.7
  Bottom w1: 146.01,121.2 157.27,121.2 158.5,122.43 158.5,148.34 155.7,151.13 101.85,151.13 100.84,150.11 ; 101.35,150.62 100.88,150.15 J8.1 100.88,136.44 100.84,136.4
  Bottom w1.3: C10.1 146.01,119.15 D11.3
Net-(J8-Pin_2): length 85.9
  Bottom w1: R7.1 104.65,140.21 J8.2 103.38,148.34 103.89,148.84 154.43,148.84 156.21,147.07 156.21,131.57 154.18,129.54
  Bottom w1.3: TH1.1 154.18,129.54
Net-(J9-Pin_1): length 11.7
  Bottom w0.6: R17.1 47.75,121.41 52.32,121.41 J9.1
Net-(J10-Pin_1): length 28.4
  Bottom w0.6: R6.1 99.82,116.08 101.37,114.53 J10.1 101.37,103.4 100.33,102.36 R12.1 R15.1 98.55,96.01 99.82,94.74 100.84,94.74 C1.1
Net-(Q1-B): length 8.1
  Bottom w0.6: R11.2 81.79,51.31 83.06,50.04 Q1.1
Net-(Q2-B): length 6.3
  Bottom w1: Q2.2 R1.2
Net-(Q3-S): length 95.2
  Top w1.3: R30.2 147.83,88.14 144.02,91.95 123.7,91.95 121.16,89.41 121.16,56.39 114.81,50.04 Q3.3
  Bottom w1: R31.2 147.83,85.6 150.37,88.14 R30.2
Net-(R4-Pad2): length 67.8
  Top w0.6: v1(43.69,37.34) v1(60.2,37.34)
  Bottom w0.6: 77.98,57.66 77.22,56.9 77.22,40.89 73.66,37.34 v1(60.2,37.34) ; R4.2 35.05,37.34 v1(43.69,37.34) ; U3.1 77.98,57.66
Net-(R5-Pad1): length 5.4
  Bottom w0.6: RV1.3 127.77,145.29 R5.1
Net-(R11-Pad1): length 4.3
  Bottom w0.6: 89.42,55.12 90.68,53.86 R11.1
Net-(R22-Pad1): length 8.5
  Bottom w1.3: R23.2 158.5,96.52 R22.1
Net-(R36-Pad2): length 13.5
  Top w1: U4.1 157.48,29.2 156.97,29.72 156.97,34.29 157.73,35.05 R36.2
Net-(U1-OUT): length 5.1
  Bottom w1.3: R29.1 147.85,70.36 UC3843.6
Net-(U1-RC): length 15.3
  Bottom w1: C22.1 134.87,59.73 R32.1 134.83,62.52 C18.2 134.84,67.81 UC3843.4
Net-(U5-ADJ): length 12.1
  Bottom w1.3: U5.1 22.1,130.3 21.08,130.3 R13.1 R14.1
Net-(U6-K): length 15.3
  Bottom w1: R33.2 161.28,31.75 U4.2 158.25,31.74 158.24,31.75 158.24,27.69 160.02,25.91 U6.3
Net-(U6-REF): length 185.9
  Bottom w1: 166.12,26.16 162.05,26.16 162.05,21.34 155.19,21.34 154.94,21.08 U6.1 154.94,11.94 158.5,8.38 170.94,8.38 174.5,11.94 174.5,127.25 170.69,131.06 R24.1 R19.1 ; 166.37,26.38 C7.2

## Copper pours and planes (outline as drawn; the poured copper is in the pictures)
(no net) on Top, Bottom: 178.05,-5.08 -4.83,-5.08 -4.83,152.91 178.05,152.91
(no net) on Bottom: 178.05,-5.08 -4.83,-5.08 -4.83,152.91 178.05,152.91

## Text on the board
Top: Developed by First Electric
F.Silkscreen: 100uf/10v | POWER | RX | TX | 5V | GND | VCC | G | R | gnd | vcc | SDA | SCL | 1n4007 | RTC module (HW-111) | 104 | LM350 | 470uf/25v | PM2625 | RS232 TTL Converter Module | STM32f103c | Cicada Gsm module
